# Altium PCB Remote.PcbDoc (continued)
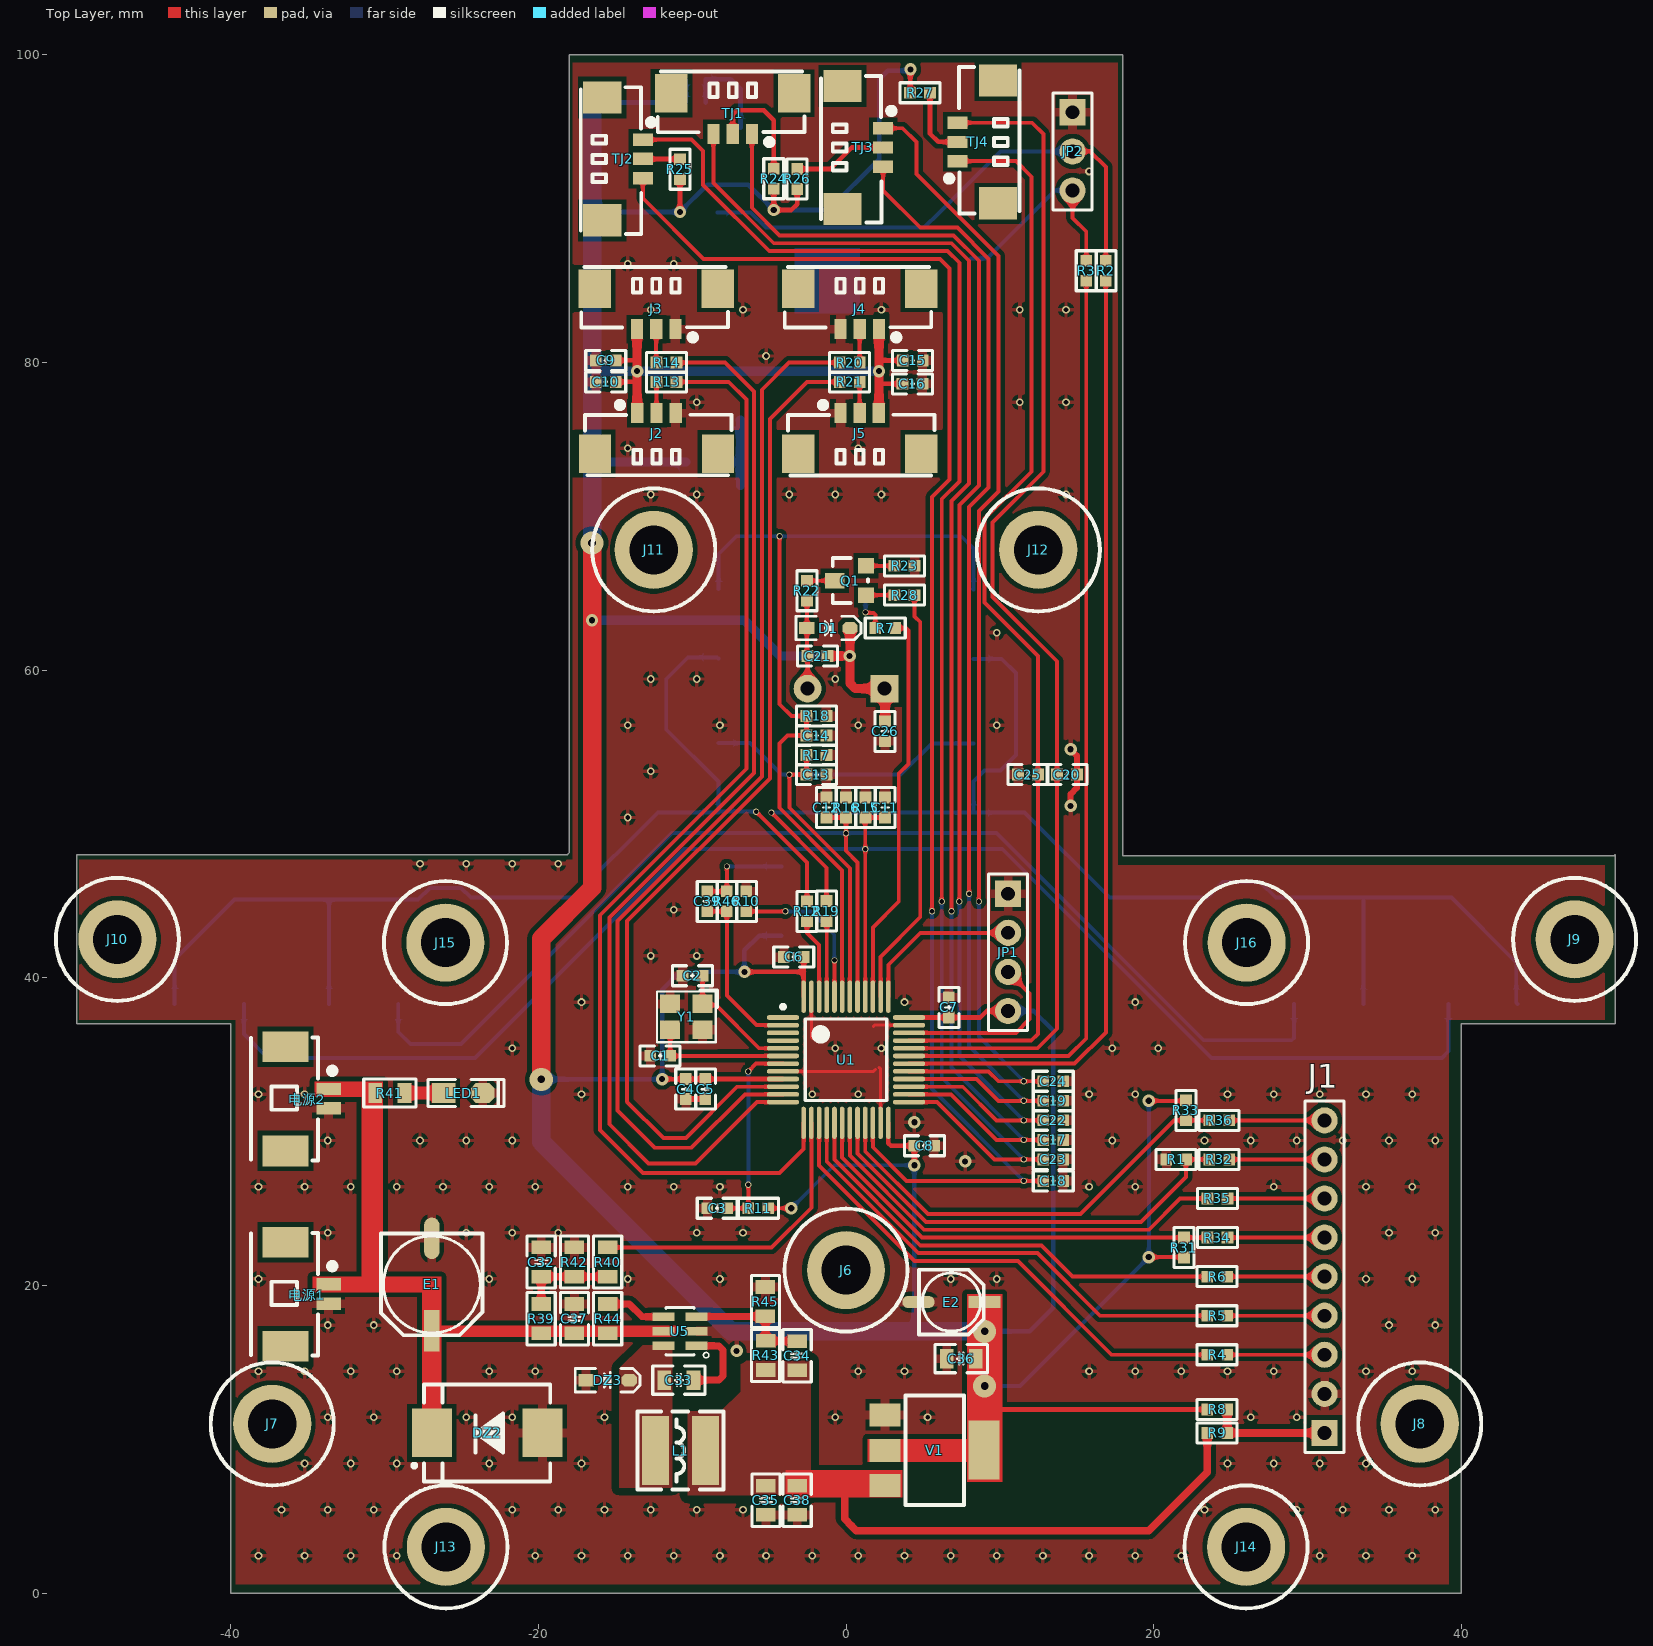
[diagram p0: Top Layer view]
## Components (designator, comment, footprint, x,y, rotation, side; value= is the part's Value field where it differs from the comment) (continued)
R41 "" "R 0805_L" -29.652,32.512 r0 top
R42 "300R" "R 0805_L" -17.653,21.524 r90 top
R43 "5.1k" "R 0805_L" -5.223,15.449 r270 top
R44 "1M" "R 0805_L" -15.494,17.841 r90 top
R45 "1k" "R 0805_L" -5.24,18.951 r270 top
R46 "10K" "R 0603_L" -7.747,44.973 r90 top
SW1 "6x6x5" "TSW SMD-6*6*5-L"#1 -41.402,42.5 r90 bottom locked
SW2 "6x6x5" "TSW SMD-6*6*5-L"#1 -31.369,42.5 r90 bottom locked
SW3 "6x6x5" "TSW SMD-6*6*5-L"#1 -12.5,53 r180 bottom locked
SW4 "6x6x5" "TSW SMD-6*6*5-L"#1 -12.5,63 r180 bottom locked
SW5 "6x6x5" "TSW SMD-6*6*5-L"#2 41.402,42.5 r90 bottom
SW6 "6x6x5" "TSW SMD-6*6*5-L"#2 31.369,42.5 r90 bottom locked
SW7 "6x6x5" "TSW SMD-6*6*5-L"#2 12.5,53 r0 bottom
SW8 "6x6x5" "TSW SMD-6*6*5-L"#1 12.5,63 r0 bottom
SW9 "6x6x5" "TSW SMD-6*6*5-L"#2 0,45 r0 bottom locked
TJ1 "TJC3-3Y" "MX 1.25-LS-3P" -3.627,97.13 r180 top locked
TJ2 "TJC3-3Y" "MX 1.25-LS-3P" -15.469,96.977 r270 top locked
TJ3 "TJC3-3Y" "MX 1.25-LS-3P" 0.152,97.719 r270 top locked
TJ4 "TJC3-3Y" "MX 1.25-LS-3P" 9.5,90.602 r90 top locked
U1 "STM32F103C8" LQFP-48_M 0,34.671 r0 top locked
U2 "" "PCBComponent_1 - duplicate" 8.128,76.265 r180 bottom
U5 "ME3116" SOT23-6 -10.795,17.018 r270 top
V1 "AMS1117-3V3" SOT-223 5.842,9.35 r270 top
Y1 "8M" "OSC 3225-4P" -10.38,37.465 r180 top
电源1 "TJC3-2Y" "MX 1.25-WS-2P" -36.449,19.431 r270 top
电源2 "TJC3-2Y" "MX 1.25-WS-2P" -36.449,32.131 r270 top

## Footprints (in the part's own frame and the unit in brackets; to place one, negate y for a bottom-side part, rotate by r counter-clockwise, add the part's x,y. Pads: shape width x height; smd on the part's side, far side on the other; paste and mask are expansions set on the pad)
"BEEP 5x9x5.5" [mm] "5*9*5.5mm(脚距,直径,高度)"
  rect 1.8x1.8 hole 0.9: 1(0,-2.5)
  round 1.8 hole 0.9: 2(0,2.5)
  silkscreen extent -4.57,-4.47 4.62,4.73, body extent -4.5,-4.5 4.5,4.5, height 5.45
"C 0603_L" [mil] "无极性贴片电容"
  rect 30x30 smd: 1(-25.59,0) 2(25.59,0)
  silkscreen extent -51,-26 51,26, body extent -31,-16 31,16, height 32
"C 0805_L" [mil] "无极性贴片电容"
  rect 35x50 smd: 1(-37.4,0) 2(37.4,0)
  silkscreen extent -67,-36 67,36, body extent -39,-24 39,24, height 20
CD42 [mm] "4.5*4*2mm（长宽高）"
  rect 1.75x4.5 smd: 1(-1.625,0) 2(1.625,0)
  silkscreen extent -2.79,-2.54 2.79,2.54, body extent -2.21,-2 2.21,2, height 2.1
"CM B(4*5.4)" [mm] "贴片电解电容，直径4mm，高5.4mm"
  rect 2.1x0.8 smd: 1(2.15,0)
  oval 2.1x0.8 smd: 2(-2.15,0)
  silkscreen extent -2.1,-2.1 2.1,2.1, body extent -2.3,-2.12 2.3,2.18, height 5.4
"CM D(6.3*7.7)" [mm] "贴片电解电容，直径6.3mm，高7.7mm"
  rect 2.7x1 smd: 1(3,0)
  oval 2.7x1 smd: 2(-3,0)
  silkscreen extent -3.3,-3.3 3.3,3.3, body extent -3.5,-3.3 3.5,3.3, height 7.7
HDR2.54-LI-3P [mm] "排针，3脚"
  rect 1.7x1.7 hole 0.9: 1(-2.54,0)
  round 1.7 hole 0.9: 2(0,0) 3(2.54,0)
  silkscreen extent -3.81,-1.27 3.81,1.27, body extent -3.81,-1.27 3.81,1.27, height 8.5
HDR2.54-LI-4P [mm] "排针，4脚"
  rect 1.7x1.7 hole 0.9: 1(-3.81,0)
  round 1.7 hole 0.9: 2(-1.27,0) 3(1.27,0) 4(3.81,0)
  silkscreen extent -5.08,-1.27 5.08,1.27, body extent -5.08,-1.27 5.08,1.27, height 8.5
HDR2.54-Y-LI-9P [mm] "圆孔排母，9脚"
  rect 1.7x1.7 hole 0.9: 1(-10.16,0)
  round 1.7 hole 0.9: 2(-7.62,0) 3(-5.08,0) 4(-2.54,0) 5(0,0) 6(2.54,0) 7(5.08,0) 8(7.62,0) 9(10.16,0)
  silkscreen extent -11.43,-1.27 11.43,1.27, body extent -11.43,-1.27 11.43,1.27, height 4.31
"LED 0805G" [mil] "绿色0805LED"
  rect 60x50 smd: 1(-50,0)
  oct 60x50 smd: 2(50,0)
  silkscreen extent -90,-35 105,35, body extent -39,-25 39,25, height 32
"LED 0805R" [mil] "红色0805LED"
  rect 60x50 smd: 1(-50,0)
  oct 60x50 smd: 2(50,0)
  silkscreen extent -90,-35 105,35, body extent -39,-25 39,25, height 32
LQFP-48_M [mm] "Thin QFP, 48-Leads, Body 7x7mm, Pitch 0.5mm, IPC Low Density"
  oval 2.1x0.3 smd: 1(-4.1,2.75) 2(-4.1,2.25) 3(-4.1,1.75) 4(-4.1,1.25) 5(-4.1,0.75) 6(-4.1,0.25) 7(-4.1,-0.25) 8(-4.1,-0.75) 9(-4.1,-1.25) 10(-4.1,-1.75) 11(-4.1,-2.25) 12(-4.1,-2.75) 25(4.1,-2.75) 26(4.1,-2.25) 27(4.1,-1.75) 28(4.1,-1.25) 29(4.1,-0.75) 30(4.1,-0.25) 31(4.1,0.25) 32(4.1,0.75) 33(4.1,1.25) 34(4.1,1.75) 35(4.1,2.25) 36(4.1,2.75)
  oval 0.3x2.1 smd: 13(-2.75,-4.1) 14(-2.25,-4.1) 15(-1.75,-4.1) 16(-1.25,-4.1) 17(-0.75,-4.1) 18(-0.25,-4.1) 19(0.25,-4.1) 20(0.75,-4.1) 21(1.25,-4.1) 22(1.75,-4.1) 23(2.25,-4.1) 24(2.75,-4.1) 37(2.75,4.1) 38(2.25,4.1) 39(1.75,4.1) 40(1.25,4.1) 41(0.75,4.1) 42(0.25,4.1) 43(-0.25,4.1) 44(-0.75,4.1) 45(-1.25,4.1) 46(-1.75,4.1) 47(-2.25,4.1) 48(-2.75,4.1)
  silkscreen extent -4.22,-2.65 2.65,3.57, body extent -3.5,-3.5 3.5,3.5, height 1.6
M3x5+6_L [mm] "M3铜柱，长：5mm，螺纹长：6mm"
  round 5.08 hole 3.175: 1(0,0)
  silkscreen extent -4,-4 4,4, body extent -2.7,-2.35 2.7,2.35, height 5.05
"MX 1.25-LS-3P" [mm] "长：8.5m，宽：3.7mm，高：4.7mm"
  rect 2.1x2.5 smd: 0(-0.254,-0.381) 0(7.732,-0.381)
  rect 0.8x1.3 smd: 1(2.489,2.261) 2(3.739,2.261) 3(4.989,2.261)
  silkscreen extent -0.92,-1.78 8.61,2.99, body extent -0.7,-1.6 8.2,2.5, height 4.7
"MX 1.25-WS-2P" [mm] "长：7.65mm，宽：4.2mm，高：3.4mm"
  rect 2x3 smd: 0(-3.382,0) 0(3.382,0)
  rect 0.8x1.6 smd: 1(-0.639,2.811) 2(0.611,2.811)
  silkscreen extent -3.98,-2.23 4,3.25, body extent -3.83,-2.1 3.83,3.09, height 3.4
"OSC 3225-4P" [mm] "3.2*2.5*0.7mm(长宽高)"
  rect 1.3x1.2 smd: 1(-1.05,-0.85) 2(1.05,-0.85) 3(1.05,0.85) 4(-1.05,0.85)
  silkscreen extent -2.03,-1.75 1.91,1.65, body extent -1.6,-1.25 1.6,1.25, height 0.7
"PCBComponent_1 - duplicate" [mm]
  oval 1.4x1 smd: 1(0,12) 2(0,10.5) 3(0,9) 4(0,7.5) 5(0,6) 6(0,4.5) 7(0,3) 16(16.5,6) 17(16.5,7.5) 18(16.5,9) 19(16.5,10.5) 20(16.5,12) 21(16.5,13.5)
  oval 1x1.4 smd: 8(3,0) 9(4.5,0) 10(6,0) 11(7.5,0) 12(10.5,0) 13(12,0) 14(13.5,0) 15(15,0) 22(15,19) 23(13.5,19) 24(12,19) 25(10.5,19) 26(9,19) 27(7.5,19) 28(4.5,19) 30(1.5,19)
  oval 1.2x2.5 smd: 29(3,19)
  Top Layer region: 7.25,11.15 11.45,11.15 11.45,6.95 7.25,6.95 7.25,11.15
  Top Layer region: 7.25,6.95 7.25,11.15 11.45,11.15 11.45,6.95 7.25,6.95
  Top Layer region: 7.25,11.15 11.45,11.15 11.45,6.95 7.25,6.95 7.25,11.15
  Top Layer region: 7.25,6.95 7.25,11.15 11.45,11.15 11.45,6.95 7.25,6.95
  silkscreen extent 0,0 16.5,19
"R 0603_L" [mil] "1/10W贴片电阻"
  rect 30x30 smd: 1(-25.59,0) 2(25.59,0)
  silkscreen extent -51,-26 51,26, body extent -31,-16 32,16, height 16
"R 0805_L" [mil] "1/8W贴片电阻"
  rect 35x50 smd: 1(-37.4,0) 2(37.4,0)
  silkscreen extent -67,-36 67,36, body extent -39,-25 39,25, height 20
SMC [mm] "7.1x5.9*2.3mm（长宽高，不包括引脚）"
  rect 2.6x3.15 smd: 1(-3.6,0) 2(3.6,0)
  silkscreen extent -4.1,-3.15 4.87,3.15, body extent -3.95,-2.9 3.95,2.9, height 2.45
SOD-323 [mm] "1.8x1.3X0.9mm（长宽高，不包括引脚）"
  rect 1x0.8 smd: 1(-1.4,0)
  oct 1x0.8 smd: 2(1.4,0)
  silkscreen extent -2.11,-0.76 2.11,0.76, body extent -1.34,-0.63 1.31,0.67, height 1
SOT23-6 [mm] "SOT-23/SC-74A; 5 Leads; Body 3.1 x 3 mm, inc. leads (LxW max)"
  rect 0.55x1.45 smd: 1(0.95,1.075) 2(0,1.075) 3(-0.95,1.075) 4(-0.95,-1.075) 5(0,-1.075) 6(0.95,-1.075)
  silkscreen extent -1.55,-0.9 1.73,1.88, body extent -1.43,-1.2 1.49,1.14, height 1
SOT-23 [mil]
  rect 40x40 smd: 1(4.88,0.63) 2(79.88,0.63)
  rect 40x50 smd: 3(41.88,80.63)
  silkscreen extent -15,-4 100,86, body extent -15,-11 99,99, height 47
SOT-223 [mil]
  rect 59x79 smd: 1(-88,-130) 2(2.55,-130) 3(93.1,-130)
  rect 150x79 smd: ""(1.88,123.54)
  silkscreen extent -137,-78 143,72, body extent -126,-139 130,135, height 67
"TSW SMD-6*6*5-L"#1 [mm] "6*6*5mm"
  rect 2x1 smd: 1(-4.2,2.261) 2(-4.2,-2.239) 3(4.2,-2.239) 4(4.2,2.261)
  silkscreen extent -2.79,-2.79 2.79,2.79, body extent -4.5,-3 4.5,3, height 4.95
"TSW SMD-6*6*5-L"#2 [mm] "6*6*5mm"
  rect 1.9x1 smd: 1(-4.2,2.261) 2(-4.2,-2.239) 3(4.2,-2.239) 4(4.2,2.261)
  silkscreen extent -2.79,-2.79 2.79,2.79, body extent -4.5,-3 4.5,3, height 4.95

## Part data
C1 C2 C3 C4 C5 C6 C7 C8: library part 普通电容, "Capacitor"
C9 C10 C11 C12 C13 C14 C15 C16 C17 C18 C19 C20 C21 C22 C23 C24 C25 C26 C27 C28 C29 C32 C33 C34 C35 C36 C37 C38 C39: library part C, "无极性贴片电容", BOM名称=无极性贴片电容, 学习资源=www.ooocke.com, 版权归属=源创客
D1: library part SR540, "肖特基二极管                           电压:40V 电流:1A                 C7420331", BOM名称=整流二极管, 学习资源=www.ooocke.com, 属性="40V  5A", 版权归属=源创客
DZ2: library part 1N4106, "TVS 15V截止 峰值浪涌电流：123A                   C438153", BOM名称=12V/0.5W稳压管, 学习资源=www.ooocke.com, 版权归属=源创客
DZ3: library part 1N5256, "电压:40V 电流:1A                                C7420331", BOM名称=30V/0.5W稳压管, 学习资源=www.ooocke.com, 版权归属=源创客
E1: library part C-CS, "JVJ50V47M6x8                        47uF ±20% 50V                            C46550421", BOM名称=直插固态电容, 学习资源=www.ooocke.com, 版权归属=源创客
E2: library part C-CS, "47uF ±20% 10V                           C48970978", BOM名称=直插固态电容, 学习资源=www.ooocke.com, 版权归属=源创客
J1: "Connector"
J2 J3 J4 J5 TJ1 TJ2 TJ3 TJ4: "HCZZ0015-3             C7433469", LatestRevisionDate=17-Jul-2002, LatestRevisionNote="Re-released for DXP Platform.", PackageReference=AXIAL-0.6, Published=8-Jun-2000, Publisher="Altium Limited", Set Position=0.5
JP1: library part "Header 4", "4P接插件", BOM名称=4P接插件, 学习资源=www.ooocke.com, 版权归属=源创客
JP2: library part "Header 3", "3P接插件", BOM名称=3P接插件, 学习资源=www.ooocke.com, 版权归属=源创客
L1: library part L-CD, "YP0402-6R8M                          C576569", BOM名称=功率电感, 学习资源=www.ooocke.com, 版权归属=源创客
LED1 LED2: library part LED-SMD, "贴片LED", BOM名称=贴片LED, 学习资源=www.ooocke.com, 版权归属=源创客
Q1: library part IRF840, "N沟场效应管", BOM名称=N沟场效应管, 学习资源=www.ooocke.com, 版权归属=源创客
R1 R2 R3 R4 R5 R6 R8 R9 R10 R11 R31 R32 R33 R34 R35 R36: library part 普通电阻
R7 R12 R13 R14 R15 R16 R17 R18 R19 R20 R21 R22 R23 R24 R25 R26 R27 R28 R29 R39 R40 R41 R42 R43 R44 R45 R46: library part R, "贴片电阻", BOM名称=贴片电阻, 学习资源=www.ooocke.com, 版权归属=源创客
R30: library part R, "磁珠", BOM名称=贴片电阻, 学习资源=www.ooocke.com, 版权归属=源创客
SW1 SW2 SW3 SW4 SW5 SW6 SW7 SW8 SW9: library part "TSW SMD-6x6", "KH-6X6X5H-STM     C2837531", BOM名称=贴片6x6轻触开关, 学习资源=www.ooocke.com, 版权归属=源创客
U1: "Flaah:64/RAM:20/IO:36", BOM名称=32位STM单片机, 学习资源=www.ooocke.com, 版权归属=源创客
U2: library part Component_1
U5: "ME3116AM6G / ME3116是一款内部集成了MOSFET的异步整流降压型稳压器,能够在4.75V至40V的输入电压范围内提供高达1A的负载能力。采用PWM控制模式,具有良好的瞬态响应和逐周期限流功能。在轻载条件下自动切换到PFM模式,保证较高的轻载效率。内置软启动和环路补偿,具有过热关断、输入欠压保护、BS欠压保护和短路保护。", JLCPCB Part Class="Extended Part", Manufacturer=MICRONE(南京微盟), Manufacturer Part=ME3116AM6G, spicePre=U, spiceSymbolName=ME3116, Supplier=LCSC, Supplier Part=C97643
V1: library part AMS1117, "三端稳压芯片", BOM名称=稳压芯片, 学习资源=www.ooocke.com, 版权归属=源创客
Y1: library part XTAL-4P, "4脚无源晶振", BOM名称=4脚无源晶振, 学习资源=www.ooocke.com, 版权归属=源创客
电源1 电源2: LatestRevisionDate=17-Jul-2002, LatestRevisionNote="Re-released for DXP Platform.", PackageReference=AXIAL-0.6, Published=8-Jun-2000, Publisher="Altium Limited", Set Position=0.5

## Via types
v1: diameter 0.5, hole 0.3, Top Layer to Bottom Layer, 172 vias
v2: diameter 0.4, hole 0.3, Top Layer to Bottom Layer, 24 vias
v3: diameter 0.8, hole 0.4, Top Layer to Bottom Layer, 18 vias
v4: diameter 1.5, hole 0.5, Top Layer to Bottom Layer, 4 vias

## Nets (pads, with @x,y where several pads share a name; then routed paths per layer and width w, separated by ;. In a path a pad name is that pad's centre, name@x,y a point inside that pad or via, vN(x,y) a via of type N, cw(c..) or ccw(c..) an arc to the next point about the centre after c; other vN are vias at no path point)
3v3: b1.1 C4.1 C5.1 C6.1 C7.1 C8.1 C9.1 C10.2 C15.1 C16.2 C21.2 C26.2 C27.1 C36.2 D1.2 E2.1 J2.1 J3.3 J4.1 J5.3 JP1.4 R8.2 R11.2 R24.2 R25.2 R26.2 R27.2 R29.2 R30.1 R31.1 R33.1 SW9.1 U1.9 U1.24 U1.36 U1.48 V1. V1.2 | length 356.3
  Top Layer w0.254: R11.2 v3(-3.556,25.019) ; C6.1@-2.794,41.402 C6.1 ; v3(19.685,21.844) 21.941,21.844 R31.1 ; v3(19.685,32.004) 22.068,32.004 R33.1
  Top Layer w0.3: C10.2 -13.706,78.74 -13.579,78.613 ; C9.1 -13.706,80.137 -13.579,80.264 ; v3(-11.953,33.416) C4.1 C5.1 -9.139,33.421 U1.9 ; v3(-10.795,89.789) R25.2 ; v3(-6.604,40.386) -2.75,40.386 ; R24.2 v3(-4.699,89.916) -3.556,89.916 -3.175,90.297 R26.2 ; U1.48 -2.75,40.386 ; C6.1 -2.75,40.386 ; 2.139,78.486 2.266,78.613 C16.2 ; 2.139,80.137 C15.1 ; U1.24 2.75,29.259 2.926,29.083 C8.1 v3(4.445,27.813) ; U1.36 C7.1 8.719,37.421 9.144,37.846 JP1.4 ; R27.2 4.176,97.551 4.176,99.045 v3(4.191,99.06) ; 9.398,11.938 R8.2
  Top Layer w0.6: J3.3 -13.579,82.159 -13.579,80.264 v3(-13.579,79.438) -13.579,78.613 -13.579,76.718 J2.1 ; C21.2 v3(0.235,60.92) v3@0.26,60.945 ; D1.2 v3@0.26,60.945 ; J5.3 2.139,78.486 v3(2.139,79.438) 2.139,80.137 J4.1 ; C26.2 2.54,58.761 b1.1 0.611,58.801 0.26,59.152 v3@0.26,60.945
  Top Layer w1.2: v4(-19.812,33.401) -19.812,42.545 -16.51,45.847 v3(-16.51,63.246) v4(-16.51,68.274)
  Bottom Layer w0.254: v3(-3.556,25.019) -0.762,27.813 v3(4.445,27.813) ; v4(9.017,13.462) 11.303,13.462 v3(19.685,21.844) v3(19.685,32.004)
  Bottom Layer w0.3: v4(-19.812,33.401) v3@-11.968,33.401 ; -16.51,89.789 v3(-10.795,89.789) -9.017,91.567 -6.35,91.567 v3(-4.699,89.916) -1.143,89.916 2.159,93.218 2.159,98.425 2.706,98.972 4.103,98.972 v3(4.191,99.06) ; -16.51,96.901 R29.2 C27.1 ; v3(-11.953,33.416) -11.953,39.228 -10.795,40.386 v3(-6.604,40.386) -6.604,41.783 -5.648,42.739 SW9.1 ; 4.445,17.018 v3(4.445,27.813) ; v4(9.017,17.018) 11.938,17.018 13.462,18.542 13.462,36.576 12.192,37.846 JP1.4
  Bottom Layer w0.6: v3(-16.51,63.246) -6.604,63.246 -4.278,60.92 v3(0.235,60.92) ; -16.51,73.66 -16.383,73.533 R30.1 ; -16.51,79.438 v3(-13.579,79.438) v3(2.139,79.438)
  Bottom Layer w1.2: v4(-19.812,33.401) -19.812,29.337 -7.493,17.018 4.445,17.018 v4(9.017,17.018) ; v4(-16.51,68.274) -16.51,73.66 -16.51,79.438 -16.51,89.789 -16.51,96.901
3V3_Lora: C28.2 C29.2 R30.2 U2.15 | length 5.9
  Bottom Layer w0.6: R30.2 C29.2 ; U2.15 -6.865,76.258 -6.865,73.54 C29.2 ; C28.2 C29.2
5V: C34.2 C35.2 C38.2 L1.2 R9.2 R43.2 V1.3 | length 31.3
  Top Layer w0.5: -0.09,7.201 -0.09,4.828 0.381,4.357 0.674,4.064 19.685,4.064 23.48,7.859 R9.2 ; V1.3@1.787,6.486 2.286,6.985 V1.3
12V: C37.2 DZ2.2 E1.1 R39.2 R41.1 R44.1 U5.5 电源1.1 电源2.1
12V_ADC: R40.2 U1.14 | length 19.8
  Top Layer w0.254: R40.2 -4.831,22.474 -2.25,25.055 U1.14
BEEP: R28.1 U1.38 | length 27.3
  Top Layer w0.254: U1.38 2.25,41.366 4.826,43.942 4.826,63.119 4.445,63.5 4.445,64.867 R28.1
CH1: R13.2 U1.13 | length 73.2
  Top Layer w0.254: R13.2 -7.62,78.74 -6.477,77.597 -6.477,53.594 -16.002,44.069 -16.002,30.099 -13.208,27.305 -4.318,27.305 -2.75,28.873 U1.13
CH2: R14.2 U1.12 | length 71.3
  Top Layer w0.254: R14.2 -7.859,79.995 -5.969,78.105 -5.969,53.325 -15.367,43.927 -15.367,30.48 -12.827,27.94 -9.779,27.94 -5.798,31.921 U1.12
CH3: R20.2 U1.11 | length 69.7
  Top Layer w0.254: U1.11 -6.568,32.421 -10.033,28.956 -12.446,28.956 -14.859,31.369 -14.859,43.688 -5.461,53.086 -5.461,78.232 -3.698,79.995 R20.2
CH4: R21.2 U1.10 | length 66.2
  Top Layer w0.254: U1.10 -7.084,32.921 -10.414,29.591 -11.874,29.591 -14.224,31.941 -14.224,43.688 -4.953,52.959 -4.953,76.327 -2.54,78.74 R21.2
DS/RS: R1.1 R32.1 U1.20 | length 29
  Top Layer w0.254: U1.20 0.75,28.572 5.192,24.13 19.177,24.13 22.098,27.051 22.098,28.179 R1.1 R32.1
GND: C1.1 C2.1 C3.2 C4.2 C5.2 C6.2 C7.2 C8.2 C9.2 C10.1 C11.1 C12.1 C13.1 C14.1 C15.2 C16.1 C17.2 C18.2 C19.2 C20.2 C22.2 C23.2 C24.2 C25.2 C26.1 C28.1 C29.1 C32.1 C35.1 C36.1 C37.1 C38.1 DZ2.1 DZ3.1 E1.2 E2.2 J1.2 J2.3 J3.1 J4.3 J5.1 JP1.1 JP2.1 LED1.2 LED2.2 R1.2 R10.1 R15.2 R16.2 R17.2 R18.2 R23.1 R42.2 R45.1 U1.8 U1.23 U1.35 U1.47 U2.14 U2.28 U2.30 U5.2 V1.1 Y1.2 Y1.4 电源1.2 电源2.2 | length 20.1
  Top Layer w0.2: U1.8 1.79,33.921 1.905,34.036 ; U1.47 -2.25,36.159 -2.159,36.068 ; 1.778,36.83 1.869,36.921 U1.35 ; 2.159,34.163 2.25,34.072 U1.23
  Top Layer w0.4: C4.2 C5.2 ; v3(14.605,51.181) 14.605,51.943 15.016,52.354 15.016,54.453 v3(14.605,54.864)
  other v1: -38.197,2.424 -35.197,2.424 -32.197,2.424 -29.197,2.424 -20.197,2.424 -17.197,2.424 -14.197,2.424 -11.197,2.424 -8.197,2.424 -5.197,2.424 -2.197,2.424 0.803,2.424 3.803,2.424 6.803,2.424 9.803,2.424 12.803,2.424 15.803,2.424 18.803,2.424 21.803,2.424 30.803,2.424 33.803,2.424 36.803,2.424 -36.697,5.424 -33.697,5.424 -30.697,5.424 -21.697,5.424 -18.697,5.424 -15.697,5.424 -12.697,5.424 -9.697,5.424 -6.697,5.424 23.303,5.424 29.303,5.424 32.303,5.424 35.303,5.424 38.303,5.424 -35.197,8.424 -32.197,8.424 -29.197,8.424 -23.197,8.424 -17.197,8.424 24.803,8.424 27.803,8.424 30.803,8.424 33.803,8.424 -33.697,11.424 -30.697,11.424 -24.697,11.424 -21.697,11.424 -15.697,11.424 -0.697,11.424 5.303,11.424 26.303,11.424 29.303,11.424 -38.197,14.424 -35.197,14.424 -32.197,14.424 -29.197,14.424 -23.197,14.424 -20.197,14.424 0.803,14.424 3.803,14.424 15.803,14.424 18.803,14.424 21.803,14.424 24.803,14.424 27.803,14.424 33.803,14.424 36.803,14.424 -33.697,17.424 -30.697,17.424 35.303,17.424 38.303,17.424 -38.197,20.424 -23.197,20.424 -14.197,20.424 -8.197,20.424 6.803,20.424 9.803,20.424 33.803,20.424 36.803,20.424 -33.697,23.424 -24.697,23.424 -21.697,23.424 -18.697,23.424 -9.697,23.424 -6.697,23.424 35.303,23.424 38.303,23.424 -38.197,26.424 -35.197,26.424 -32.197,26.424 -29.197,26.424 -26.197,26.424 -23.197,26.424 -20.197,26.424 -14.197,26.424 -11.197,26.424 -8.197,26.424 15.803,26.424 18.803,26.424 27.803,26.424 33.803,26.424 36.803,26.424 -33.697,29.424 -27.697,29.424 -24.697,29.424 -21.697,29.424 17.303,29.424 23.303,29.424 26.303,29.424 29.303,29.424 32.303,29.424 35.303,29.424 38.303,29.424 -38.197,32.424 -35.197,32.424 -17.197,32.424 -2.197,32.424 0.803,32.424 15.803,32.424 18.803,32.424 24.803,32.424 27.803,32.424 30.803,32.424 33.803,32.424 36.803,32.424 -21.697,35.424 -0.697,35.424 2.303,35.424 17.303,35.424 20.303,35.424 -17.197,38.424 3.803,38.424 18.803,38.424 -12.697,41.424 -9.697,41.424 -11.197,44.424 -27.697,47.424 -24.697,47.424 -21.697,47.424 -18.697,47.424 -14.197,50.424 -12.697,53.424 -14.197,56.424 -8.197,56.424 0.803,56.424 9.803,56.424 -12.697,59.424 -9.697,59.424 -0.697,59.424 9.803,62.424 -12.697,71.424 -9.697,71.424 -3.697,71.424 -0.697,71.424 2.303,71.424 14.303,71.424 -14.197,74.424 0.803,74.424 -9.697,77.424 11.303,77.424 14.303,77.424 -5.197,80.424 -12.697,83.424 -6.697,83.424 2.303,83.424 11.303,83.424 14.303,83.424 -14.197,86.424 -11.197,86.424 15.803,92.424
  other v3: -7.112,15.748 7.747,28.067 4.445,30.607
IN1: R19.2 U1.45 | length 4.9
  Top Layer w0.254: R19.2 -1.25,43.668 U1.45
IN2: R12.2 U1.46 | length 5.2
  Top Layer w0.254: R12.2 -2.54,42.926 -1.75,42.136 U1.46
KEY1: C11.2 R15.1 SW1.1 SW5.2 U1.40 | length 108.4
  Top Layer w0.254: U1.40 v2(1.25,48.367) 1.25,50.399 R15.1 C11.2
  Bottom Layer w0.254: SW1.1 -39.141,36.347 -37.592,34.798 -24.13,34.798 -10.541,48.387 1.23,48.387 v2(1.25,48.367) 1.27,48.387 10.16,48.387 23.749,34.798 38.735,34.798 39.163,35.226 SW5.2
KEY2: C12.2 R16.1 SW2.1 SW6.2 U1.41 | length 87.1
  Top Layer w0.254: C12.2 R16.1 v2(0,49.403) 0,48.26 0.75,47.51 U1.41
  Bottom Layer w0.254: SW2.1 -29.108,36.474 -28.321,35.687 -25.019,35.687 -11.303,49.403 v2(0,49.403) 9.779,49.403 23.241,35.941 28.981,35.941 29.13,36.09 SW6.2
KEY3: C13.2 R17.1 SW3.1 SW7.2 U1.42 | length 36.7
  Top Layer w0.254: R17.1 C13.2 v2(-3.683,53.213) -3.683,51.054 0.25,47.121 U1.42
  Bottom Layer w0.254: SW3.1 -6.239,55.261 -4.191,53.213 v2(-3.683,53.213) 3.556,53.213 5.582,55.239 SW7.2
KEY4: C14.2 R18.1 SW4.1 SW8.2 U1.43 | length 56.8
  Top Layer w0.254: v2(-4.318,68.707) -4.318,57.785 -3.556,57.023 R18.1 C14.2 -3.81,55.753 -4.318,55.245 -4.318,51.054 -0.25,46.986 U1.43
  Bottom Layer w0.254: SW4.1 -8.283,65.278 -8.283,67.536 -7.112,68.707 v2(-4.318,68.707) 7.493,68.707 8.3,67.9 SW8.2 SW8.2@8.261,65.278
LCD_LED: R31.2 R34.1 U1.18 | length 28.2
  Top Layer w0.254: U1.18 -0.25,28.317 4.953,23.114 R31.2 R34.1
Netb1_2: b1.2 C21.1 D1.1 R22.1 | length 5.7
  Top Layer w0.254: R22.1 D1.1 -2.54,60.96 C21.1 b1.2
NetC1_2: C1.2 U1.6 Y1.3 | length 9
  Top Layer w0.254: Y1.3 C1.2 -8.386,34.925 -8.382,34.921 U1.6
NetC2_2: C2.2 U1.5 Y1.1 | length 8.2
  Top Layer w0.254: C2.2 Y1.1 -9.239,38.224 -8.448,38.224 -5.645,35.421 U1.5
NetC3_1: C3.1 R11.1 U1.7 | length 12.7
  Top Layer w0.254: C3.1 R11.1 v2(-6.35,26.543) ; v2(-6.35,33.909) -5.838,34.421 U1.7
  Bottom Layer w0.254: v2(-6.35,26.543) v2(-6.35,33.909)
NetC27_2: C27.2 R29.1 U2.22 | length 6.6
  Bottom Layer w0.3: R29.1 C27.2 -7.493,98.425 -6.858,97.79 -6.858,95.279 U2.22
NetC32_2: C32.2 R39.1 R40.1 R42.1 | length 6.1
  Top Layer w0.45: R39.1 C32.2 R42.1 R40.1
NetC33_1: C33.1 DZ3.2 L1.1 U5.6
NetC33_2: C33.2 U5.1 | length 5.5
  Top Layer w0.45: C33.2 -8.265,13.843 -8.001,14.107 -8.001,15.804 -8.265,16.068 U5.1
NetC34_1: C34.1 R43.1 R45.2 U5.3 | length 8.2
  Top Layer w0.45: U5.3 -9.703,17.985 -5.256,17.985 R45.2 -5.232,17.993 -5.232,16.408 R43.1 -5.213,16.389 -3.186,16.389 C34.1
NetC39_1: C39.1 R46.2 SW9.2 | length 6.4
  Top Layer w0.254: C39.1 R46.2 v2(-7.747,47.244)
  Bottom Layer w0.254: v2(-7.747,47.244) -4.205,47.244 SW9.2
NetJ1_1: J1.1 R8.1 R9.1 | length 7.9
  Top Layer w0.5: R8.1 R9.1 J1.1
NetJ1_3: J1.3 R4.2 | length 6.3
  Top Layer w0.254: R4.2 J1.3
NetJ1_4: J1.4 R5.2 | length 6.3
  Top Layer w0.254: R5.2 J1.4
NetJ1_5: J1.5 R6.2 | length 6.3
  Top Layer w0.254: R6.2 J1.5
NetJ1_6: J1.6 R34.2 | length 6.3
  Top Layer w0.254: R34.2 J1.6
NetJ1_7: J1.7 R35.2 | length 6.3
  Top Layer w0.254: R35.2 J1.7
NetJ1_8: J1.8 R32.2 | length 6.2
  Top Layer w0.254: R32.2 J1.8
NetJ1_9: J1.9 R36.1 | length 6.2
  Top Layer w0.254: R36.1 J1.9
NetJ2_2: J2.2 R13.1 | length 2
  Top Layer w0.254: J2.2 R13.1
NetJ3_2: J3.2 R14.1 | length 2.2
  Top Layer w0.254: J3.2 -12.339,80.015 R14.1
NetJ4_2: J4.2 R20.1 | length 2.2
  Top Layer w0.254: R20.1 J4.2
NetJ5_2: J5.2 R21.1 | length 2
  Top Layer w0.254: J5.2 R21.1
NetLED1_1: LED1.1 R41.2 | length 2.5
  Top Layer w0.8: R41.2 LED1.1
NetLED2_1: LED2.1 R7.2 | length 2.7
  Top Layer w0.254: v2(1.27,63.754) 1.298,63.726 1.784,63.726 1.905,63.605 R7.2
  Bottom Layer w0.254: v2(1.27,63.754) LED2.1
NetQ1_1: Q1.1 R28.2 | length 1.9
  Top Layer w0.254: Q1.1 R28.2 R28.2@3.175,64.897
NetQ1_2: Q1.3 R22.2 | length 1.9
  Top Layer w0.254: R22.2 Q1.3 Q1.3@-0.635,65.913
NetQ1_3: Q1.2 R23.2 | length 1.9
  Top Layer w0.254: Q1.2 R23.2
NetR2_1: R2.1 U1.30 | length 62.5
  Top Layer w0.254: U1.30 14.863,34.421 16.891,36.449 16.891,83.82 R2.1
NetR3_1: R3.1 U1.31 | length 61.2
  Top Layer w0.254: U1.31 14.474,34.921 15.621,36.068 15.621,52.735 15.624,52.738 15.624,53.688 15.621,53.691 R3.1
NetR10_2: R10.2 U1.44 | length 10.4
  Top Layer w0.254: R10.2@-6.462,44.323 v2(-3.937,44.323) ; U1.44 v2(-0.75,41.136)
  Bottom Layer w0.254: v2(-3.937,44.323) -2.286,44.323 -0.762,42.799 -0.762,41.148 v2(-0.75,41.136)
NetR12_1: R12.1 SW1.2 SW2.2 SW3.2 SW4.2 | length 73.2
  Top Layer w0.254: v2(-5.842,50.8) -2.54,47.498 R12.1
  Bottom Layer w0.254: SW1.2 -43.641,41.195 -39.751,45.085 -33.608,45.085 ; SW2.2 -33.608,45.085 ; SW4.2 -8.372,60.833 -10.287,60.833 -11.684,59.436 -11.684,56.134 -8.3,52.75 SW3.2 ; v2(-5.842,50.8) -8.261,50.8 SW3.2 ; -33.608,45.085 -27.813,45.085 -27.051,45.847 -25.019,45.847 -24.384,45.212 -17.78,45.212 -12.231,50.761 SW3.2
NetR19_1: R19.1 SW5.1 SW6.1 SW7.1 SW8.1 | length 84.1
  Top Layer w0.254: v2(-4.853,50.739) -1.27,47.157 R19.1
  Bottom Layer w0.254: v2(-4.853,50.739) SW7.1 ; SW8.1 10.127,60.739 11.049,59.817 11.049,54.483 10.033,53.467 9.017,53.467 8.3,52.75 SW7.1 ; SW6.1 33.63,45.187 33.655,45.212 ; SW5.1 43.576,38.387 43.576,41.006 39.37,45.212 33.655,45.212 ; SW7.1 11.618,50.739 17.145,45.212 23.495,45.212 24.511,46.228 26.924,46.228 27.94,45.212 33.655,45.212
NetR24_1: R24.1 TJ1.2 | length 7.5
  Top Layer w0.3: TJ1.2 -7.366,96.139 -7.112,96.393 -5.334,96.393 -4.699,95.758 R24.1
NetR25_1: R25.1 TJ2.2 | length 2.4
  Top Layer w0.3: TJ2.2 -13.198,93.228 -10.805,93.228 R25.1
NetR26_1: R26.1 TJ3.2 | length 6.2
  Top Layer w0.3: R26.1 -1.016,92.583 0.381,93.98 TJ3.2
NetR27_1: R27.1 TJ4.2 | length 4.7
  Top Layer w0.3: R27.1 5.461,94.869 5.989,94.341 TJ4.2
NetR44_2: R44.2 U5.4 | length 4
  Top Layer w0.45: R44.2 -14.092,18.791 -13.269,17.968 U5.4
POWMER_KEY: C39.2 R46.1 U1.2 | length 11.2
  Top Layer w0.254: C39.2 R46.1 -7.747,38.862 -5.806,36.921 U1.2
RESET: R33.2 R36.2 U1.21 | length 28.4
  Top Layer w0.254: U1.21 1.25,28.722 5.334,24.638 15.24,24.638 21.336,30.734 R33.2 R36.2
RX1: JP2.3 R3.2 U2.2 | length 13.4
  Top Layer w0.254: JP2.3 14.732,89.408 15.621,88.519 R3.2
  Bottom Layer w0.254: U2.2 9.168,86.765 13.589,91.186 JP2.3
SPI1_CS: R35.1 U1.19 | length 28.2
  Top Layer w0.254: U1.19 0.25,28.452 5.08,23.622 19.685,23.622 21.717,25.654 R35.1
SPI1_MISO: R5.1 U1.16 | length 31.4
  Top Layer w0.254: U1.16 -1.25,28.047 4.699,22.098 12.446,22.098 16.51,18.034 R5.1
SPI1_MOSI: R6.1 U1.17 | length 29.8
  Top Layer w0.254: U1.17 -0.75,28.182 4.826,22.606 12.7,22.606 14.732,20.574 R6.1
SPI1_SCK: R4.1 U1.15 | length 33.1
  Top Layer w0.254: U1.15 -1.75,27.792 4.452,21.59 11.176,21.59 17.272,15.494 R4.1
STATE_LED: R7.1 U1.39 | length 25.7
  Top Layer w0.254: U1.39 1.75,43.279 3.429,44.958 3.429,53.277 4.064,53.912 4.064,62.589 3.915,62.738 R7.1
SWCLK: JP1.2 U1.37 | length 10.7
  Top Layer w0.254: U1.37 2.75,40.85 4.826,42.926 JP1.2
SWDIO: JP1.3 U1.34 | length 11.9
  Top Layer w0.254: U1.34 11.048,36.421 11.938,37.311 11.938,38.989 JP1.3
TW1: C17.1 TJ1.3 U1.26 | length 91.4
  Top Layer w0.254: TJ1.3 -8.616,91.674 -4.699,87.757 6.858,87.757 8.001,86.614 8.001,72.136 6.858,70.993 v2(6.858,44.323) ; U1.26 6.822,32.421 9.779,29.464 v2(11.557,29.464) C17.1
  Bottom Layer w0.254: v2(6.858,44.323) 6.858,34.163 v2(11.557,29.464)
TW2: C22.1 TJ1.1 U1.27 | length 88.8
  Top Layer w0.254: TJ1.1 -6.116,90.063 -4.318,88.265 6.985,88.265 8.636,86.614 8.636,72.009 7.366,70.739 v2(7.366,44.958) ; U1.27 7.592,32.921 9.779,30.734 v2(11.557,30.734) C22.1
  Bottom Layer w0.254: v2(7.366,44.958) 7.366,34.925 v2(11.557,30.734)
TW3: C18.1 TJ2.3 U1.22 | length 99
  Top Layer w0.254: TJ2.3 -13.208,90.678 -9.271,86.741 6.115,86.741 6.731,86.125 6.731,72.39 5.588,71.247 v2(5.588,44.323) ; U1.22 1.75,28.984 3.937,26.797 v2(11.557,26.797) C18.1
  Bottom Layer w0.254: v2(5.588,44.323) 5.588,32.766 v2(11.557,26.797)
TW4: C23.1 TJ2.1 U1.25 | length 96.4
  Top Layer w0.254: TJ2.1 -10.033,94.488 -9.289,93.744 -9.289,91.549 -4.989,87.249 6.604,87.249 7.366,86.487 7.366,72.263 6.223,71.12 v2(6.223,44.958) ; U1.25 5.925,31.921 9.652,28.194 v2(11.557,28.194) C23.1
  Bottom Layer w0.254: v2(6.223,44.958) 6.223,33.528 v2(11.557,28.194)
TW5: C19.1 TJ3.3 U1.28 | length 76.3
  Top Layer w0.254: TJ3.3 2.413,91.186 4.826,88.773 7.239,88.773 9.271,86.741 9.271,71.882 8.001,70.612 v2(8.001,45.466) ; U1.28 8.489,33.421 9.906,32.004 v2(11.557,32.004) C19.1
  Bottom Layer w0.254: v2(8.001,45.466) 8.001,35.56 v2(11.557,32.004)
TW6: C24.1 TJ3.1 U1.29 | length 76.5
  Top Layer w0.254: TJ3.1 3.683,95.23 4.572,94.341 4.572,92.265 9.906,86.931 9.906,71.628 8.636,70.358 v2(8.636,44.958) ; U1.29 9.259,33.921 9.906,33.274 v2(11.557,33.274) C24.1
  Bottom Layer w0.254: v2(8.636,44.958) 8.636,36.195 v2(11.557,33.274)
TW7: C20.1 TJ4.3 U1.32 | length 77.3
  Top Layer w0.254: U1.32 12.446,35.421 13.716,36.691 C20.1 13.716,60.579 9.525,64.77 9.525,69.596 12.827,72.898 12.827,94.869 12.105,95.591 TJ4.3
TW8: C25.1 TJ4.1 U1.33 | length 72.2
  Top Layer w0.254: U1.33 12.045,35.921 12.476,36.352 C25.1 12.476,60.93 9.017,64.389 9.017,69.85 12.065,72.898 12.065,92.075 11.049,93.091 TJ4.1
TX1: JP2.2 R2.2 U2.21 | length 34.2
  Top Layer w0.254: JP2.2 15.875,93.726 16.891,92.71 R2.2
  Bottom Layer w0.254: U2.21 -6.199,89.765 -5.207,88.773 5.08,88.773 6.072,89.765 10.033,93.726 JP2.2
pads on no net: J2.0 J3.0 J4.0 J5.0 J6.1 J7.1 J8.1 J9.1 J10.1 J11.1 J12.1 J13.1 J14.1 J15.1 J16.1 SW1.3 SW1.4 SW2.3 SW2.4 SW3.3 SW3.4 SW4.3 SW4.4 SW5.3 SW5.4 SW6.3 SW6.4 SW7.3 SW7.4 SW8.3 SW8.4 SW9.3 SW9.4 TJ1.0 TJ2.0 TJ3.0 TJ4.0 U1.1 U1.3 U1.4 U2.1 U2.3 U2.4 U2.5 U2.6 U2.7 U2.8 U2.9 U2.10 U2.11 U2.12 U2.13 U2.16 U2.17 U2.18 U2.19 U2.20 U2.23 U2.24 U2.25 U2.26 U2.27 U2.29 电源1.0 电源2.0

## Polygon pours and split planes (outlines as drawn)
GND on Top Layer "tg" (solid, remove dead copper, pour order 2): -17.78,99.505 -17.78,47.689 -49.847,47.689 -49.847,37.274 -39.688,37.274 -39.688,0.572 39.18,0.572 39.18,37.274 49.34,37.274 49.34,47.307 17.653,47.307 17.653,99.505
5V on Top Layer "5V_L01_P001" (solid, remove dead copper, pour order 1): -6.858,15.113 -6.858,13.081 -8.128,11.811 -10.287,11.811 -10.287,6.35 -2.286,6.35 -2.286,15.113
NetC33_1 on Top Layer "NETC33_1_L01_P000" (solid, remove dead copper, pour order 0): -11.303,16.51 -12.827,16.51 -14.732,14.605 -14.732,6.858 -11.303,6.858
GND on Bottom Layer "tg" (solid, remove dead copper, pour order 3): -17.59,99.505 -17.59,47.689 -49.784,47.689 -49.784,37.274 -39.624,37.274 -39.624,0.572 39.243,0.572 39.243,37.274 49.403,37.274 49.403,47.307 17.526,47.307 17.526,99.505

## Other copper
Top Layer:
  rectangle net 3v3: 1.397,8.509 10.16,10.033
  rectangle net 3v3: 7.874,7.239 10.16,19.431
  rectangle net 5V: -3.937,6.223 3.683,8.001
  rectangle net 12V: -27.559,16.637 -11.049,17.399
  rectangle net 12V: -27.559,8.89 -26.289,20.447
  rectangle net 12V: -31.496,19.939 -30.099,33.02
  rectangle net 12V: -34.544,32.258 -30.099,33.274
  rectangle net 12V: -34.671,19.558 -26.289,20.574

## Silkscreen, mask and mechanical layers (free items; w line width, h text height)
Mechanical 1:
  lines w0.254: -18.121,48 -50,48 -50,37 -40,37 -40,0 40,0 40,37 50.038,37 50.038,47.926 18,47.926 18,100 -18,100 -18,48.121